# Altium PCB betrusted_evt2b.PcbDoc (part 4 of 6) (continued)
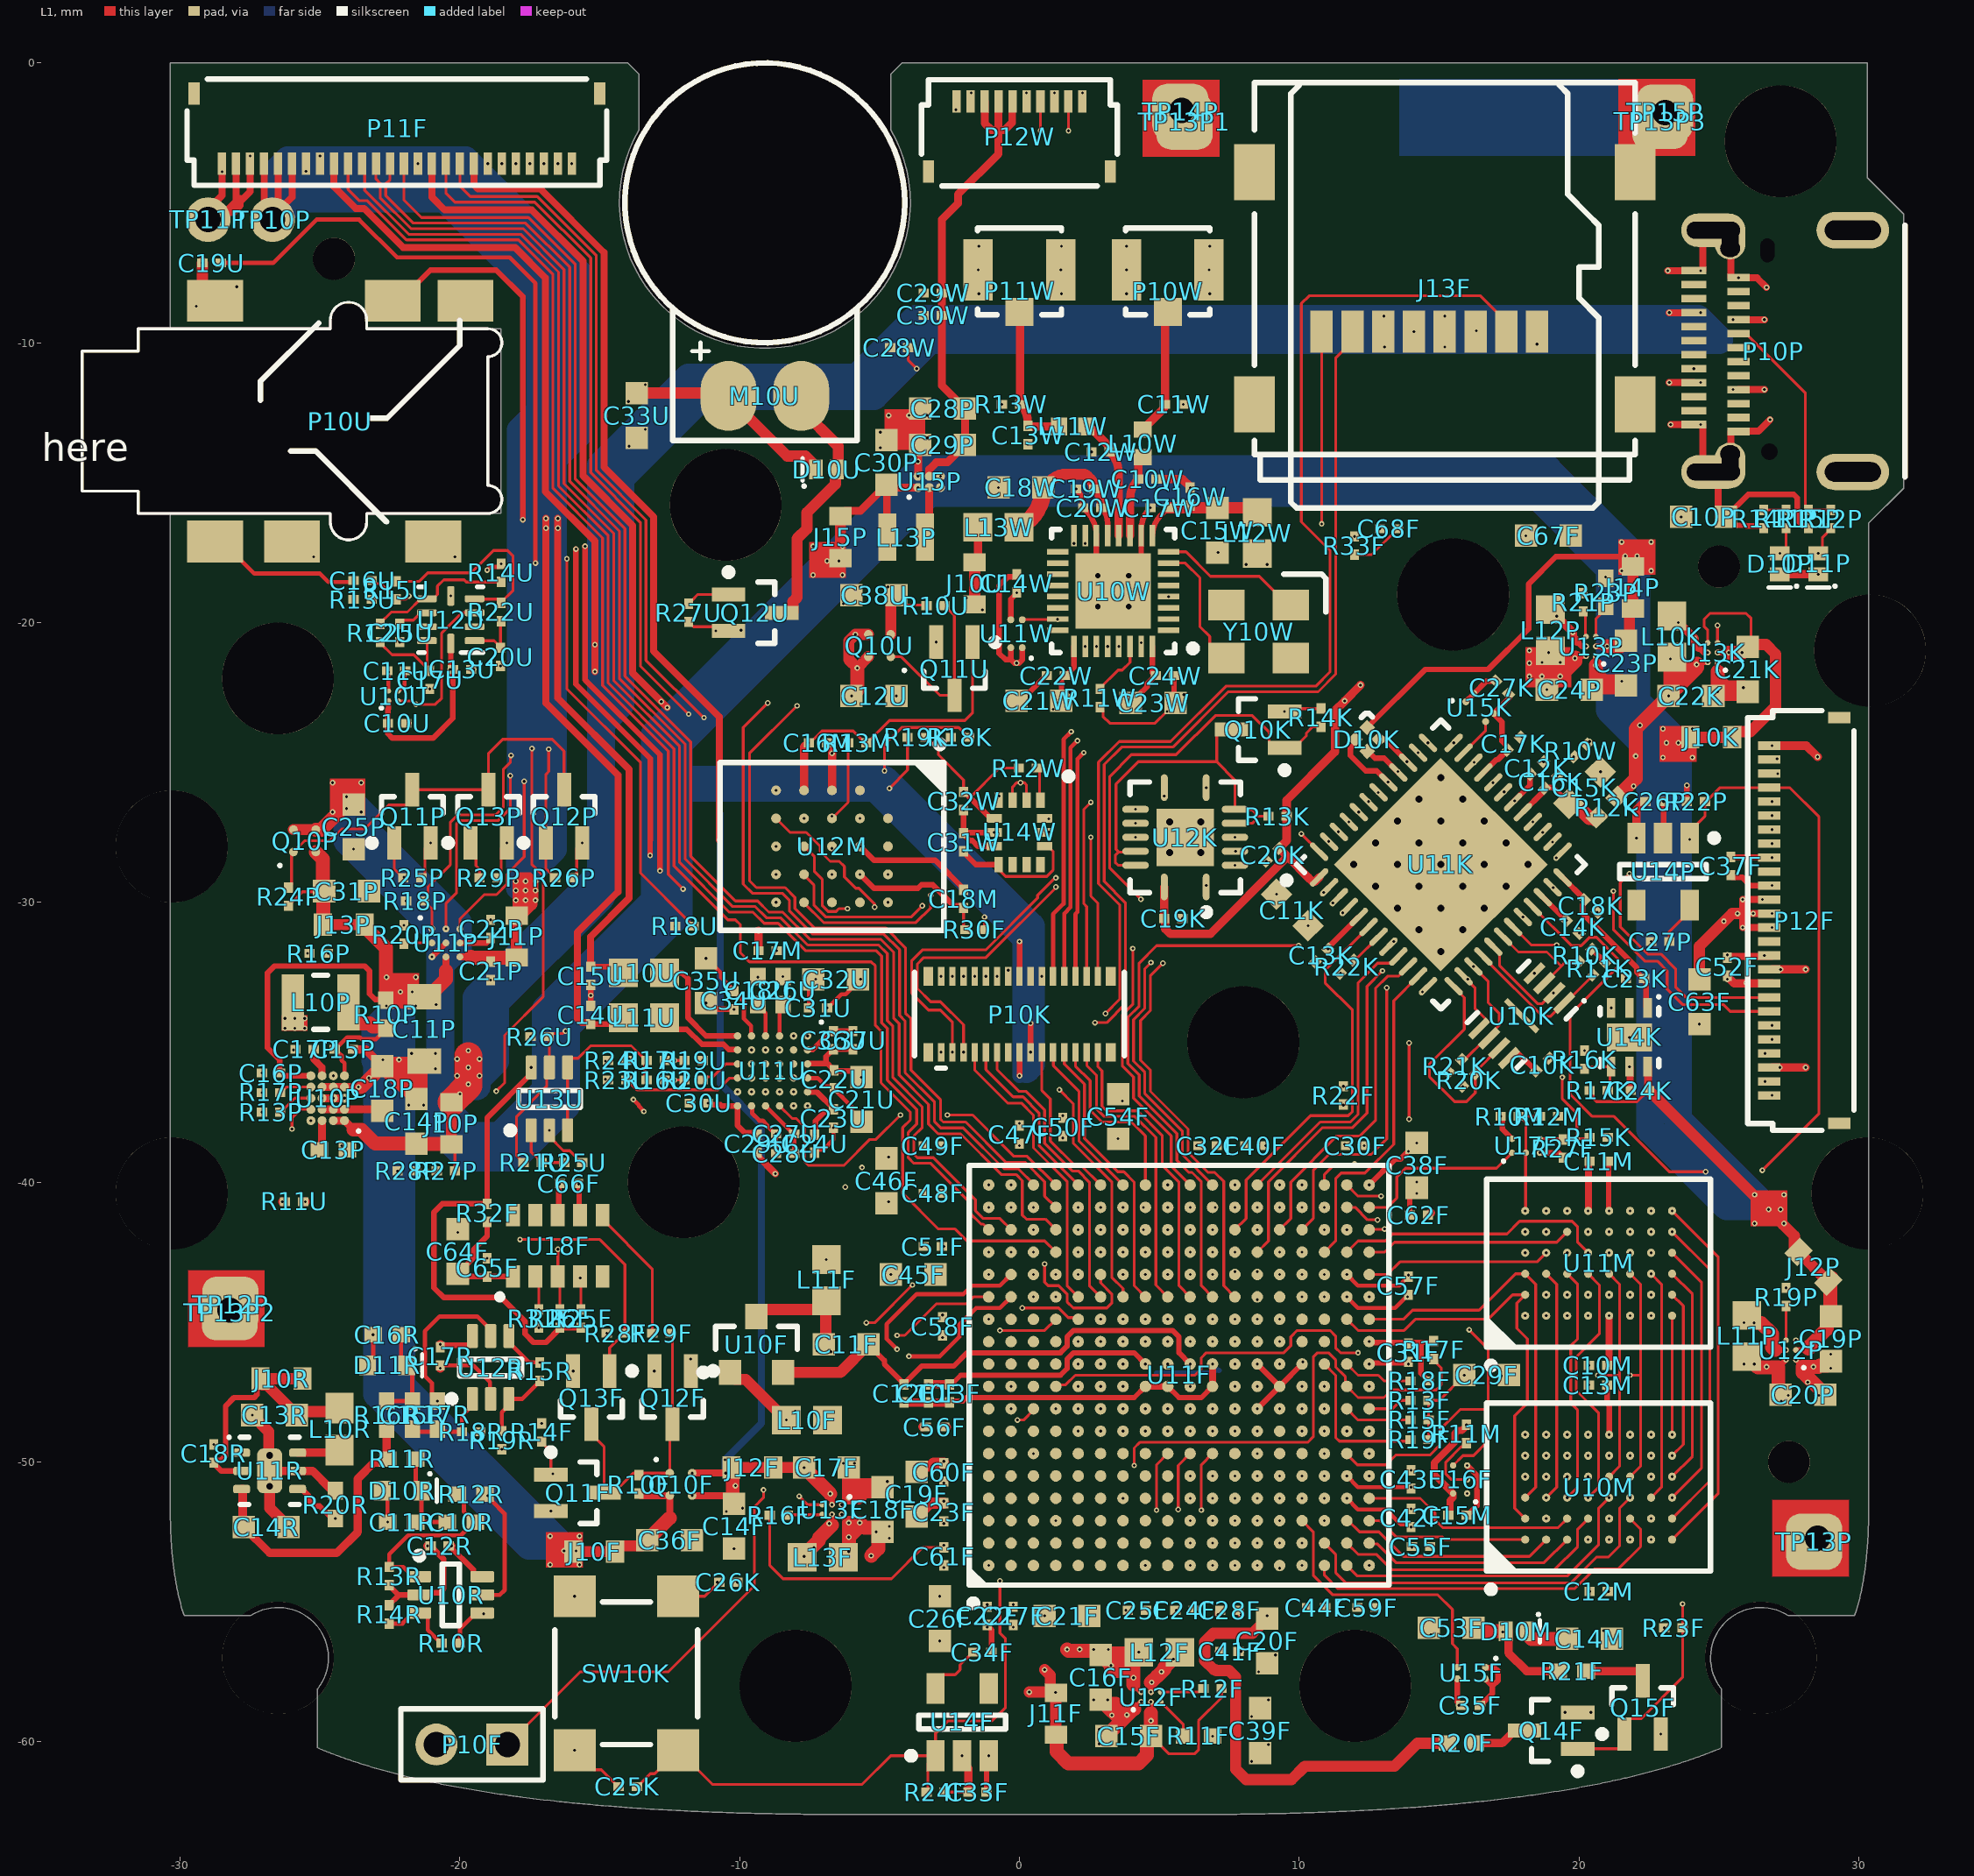
[diagram p0: L1 view]
## Nets (pads, with @x,y where several pads share a name; then routed paths per layer and width w, separated by ;. In a path a pad name is that pad's centre, name@x,y a point inside that pad or via, vN(x,y) a via of type N, cw(c..) or ccw(c..) an arc to the next point about the centre after c; other vN are vias at no path point) (continued)
  L1 w0.25: P11F.9@-24.5,-3.6 -24.5,-4.425 -23.725,-5.2 -23.425,-5.2 -22.025,-6.6 -18.025,-6.6 -16.95,-7.675 -16.95,-15.317 -15.175,-17.092 v2(-15.175,-20.793) v2(-15.175,-21.751)
  L1 w0.3: R18U.2@-12.315,-30.845 -12.31,-30.85 v2(-12.305,-30.85) R18U.2@-12.3,-30.85 ; C35U.1@-11.215,-33.595 -11.21,-33.6 v2(-11.205,-33.6) C35U.1@-11.2,-33.6 ; C30U.2@-11.14,-37.17 -11.135,-37.175 v2(-11.13,-37.175) C30U.2@-11.125,-37.175 ; C24U.2@-7.323,-38.278 -7.318,-38.282 v2(-7.313,-38.282) C24U.2@-7.308,-38.282
  L1 w0.4: v1(-6,-22.625) C12U.1@-5.8,-22.425 ; Q10U.2@-5.4,-21.225 v1(-5.8,-21.625) -6.1,-21.325 -6.1,-20.659 v1(-5.866,-20.425) Q10U.3@-5.4,-20.425
  L1 w0.5: C12U.1@-5.8,-22.425 v1(-5.8,-21.625)
  L2 w0.15: v2@-5.935,-34.6 v1(-5.915,-34.6)
  L2 w0.2: v1(-20.35,-21.675) -19.775,-21.1 -16.9,-21.1 -16.249,-21.751 v2(-15.175,-21.751) ; v1(-10.2,-33.825) -10.2,-34.65 v1(-9.575,-35.275)
  other v1: -3,-43.3 0.5,-42.5 -2.7,-42.3 2.9,-41.7 5.3,-40.9 -4.675,-40.7 -2.7,-40.4 -2.7,-38.7 0,-38.7 1.55,-38.425 -7.313,-38.282 -11.13,-37.175 -17.45,-35.9 -11.205,-33.6 -12.305,-30.85 -15.175,-21.751 -15.175,-20.793 18.1,-16.9 15.2,-10.15 15.2,-9.05
  other v2: -3,-43.3 0.5,-42.5 -2.7,-42.3 2.9,-41.7 5.3,-40.9 -4.675,-40.7 -2.7,-40.4 -2.7,-38.7 0,-38.7 1.55,-38.425 -5.915,-34.6 -6,-22.625 -5.8,-21.625 -5.866,-20.425 18.1,-16.9 13.525,-16.65 15.2,-10.15 15.2,-9.05
  other v3: 0.5,-42.5 2.9,-41.7 5.3,-40.9
P5.0V: C28P.1 C29P.1 C29W.2 C30W.2 P12W.6 P12W.7 P12W.8 U15P.B2 | length 18.1
  L1 w0.28: U15P.B2@-3.225,-14.775 -3.225,-14.525 -2.975,-14.275 -2.575,-14.275 C29P.1@-1.95,-13.65 C28P.1@-1.95,-12.35 -2.775,-11.525 -2.775,-5.6 -2.2,-5.025 -2.2,-4.7 -0.75,-3.25 -0.75,-2.4 ; P12W.8@-1.25,-1.375 -1.24,-1.385 -1.24,-2.16 -1,-2.4 -0.75,-2.4 ; P12W.7@-0.75,-1.375 -0.75,-2.4 ; P12W.6@-0.25,-1.375 -0.26,-1.385 -0.26,-2.135 -0.525,-2.4 -0.75,-2.4
PACK_P: C21P.2 J11P.1 P11F.4 P11F.5 P11F.6 TP10P.1 U11P.C3 | length 119.1
  L1 w0.2: -17.975,-29.15 -17.85,-29.025 -17.5,-29.025 -17.3,-29.225 v1(-17.3,-29.25) v1(-17.3,-29.575) v1(-17.3,-29.925) ; -17.875,-29.25 -17.65,-29.475 ; v1(-17.65,-29.925) v1(-17.65,-29.575) -17.65,-29.475 ; v1(-17.65,-29.25) -17.65,-29.475
  L1 w0.25: P11F.4@-27,-3.6 -27,-4.935 -26.7,-5.235 TP10P.1@-26.7,-5.6 -26.5,-5.4 TP10P.1@-26.5,-5.3 ; P11F.5@-26.5,-3.6 TP10P.1@-26.5,-5.3 ; P11F.6@-26,-3.6 -26,-4.8 TP10P.1@-26.5,-5.3 ; U11P.C3@-20,-31.95 -19.6,-31.95
  L1 w0.5: -19.6,-31.95 -19.575,-31.975 J11P.1@-17.975,-31.975 ; J11P.1@-17.975,-30.475 J11P.1@-17.95,-30.475 ; -17.875,-29.25 -17.875,-30.4 J11P.1@-17.95,-30.475 ; v1(-17.65,-29.25) -17.475,-29.425 -17.475,-30.05 -17.9,-30.475 J11P.1@-17.95,-30.475
  L8 w0.8: -17.225,-28.775 -16.575,-28.125 -16.575,-14.2 -15.675,-13.3 -15.675,-7.475 -19.775,-3.375 -26.175,-3.375 -26.719,-3.919 -26.719,-5.581 TP10P.1@-26.7,-5.6 -26.484,-5.6 -25.834,-4.95 -20.575,-4.95 -17.225,-8.3 -17.225,-12.4 ; -17.225,-28.775 -17.95,-29.5 -17.95,-28.175 -17.925,-28.15 -17.925,-13.1 -17.225,-12.4 ; -17.225,-28.775 -17.225,-13.65 -17.225,-12.4
  L8 w1: TP10P.1@-26.7,-5.6 -26.585,-5.485 -26.585,-4.76 -25.975,-4.15 -20.175,-4.15 -16.375,-7.95 -16.375,-12.8 -17.225,-13.65
  other v1: -18,-29.925 -18,-29.575 -18,-29.25
  other v2: -19.25,-29.9 -18.35,-29.9 -17.375,-29.9 -19.25,-29.025 -18.35,-29.025 -17.375,-29.025
  other v3: -17.875,-29.775 -18.2,-29.45 -17.575,-29.425 -17.325,-29.2 -17.9,-29.125 -17.675,-28.9 -17.05,-28.9 -17.975,-28.625 -17.4,-28.625
PROG_B: C25K.1 P12F.21 R24F.1 SW10K.4 U11F.R8 U12M.A4 U14F.1 | length 93.7
  L1 w0.1: C25K.1@-13.675,-61.6 -13.65,-61.6 -13.191,-61.141 -13.041,-61.141 SW10K.4@-12.2,-60.3 -10.975,-61.525 -5.625,-61.525 -4.6,-60.5 U14F.1@-3,-60.5 ; R24F.1@-3.325,-61.8 -3.275,-61.75 -3.275,-60.775 U14F.1@-3,-60.5 ; v1(-0.7,-54.25) -0.7,-56.114 -0.5,-56.314 -0.5,-58.775 -0.975,-59.25 -2.55,-59.25 -3,-59.7 U14F.1@-3,-60.5
  L2 w0.1: v2(-0.85,-52.45) -0.85,-53.25 -0.7,-53.4 v1(-0.7,-54.25) 1.364,-54.25 5.617,-49.997 8.161,-49.997 8.314,-50.15 9.108,-50.15 9.7,-49.558 9.7,-48.5 v1(10.1,-48.1) 10.081,-48.081 10.081,-47.854 9.85,-47.623 9.85,-47.15 10.125,-46.875 10.425,-46.875 10.6,-46.7 10.749,-46.7 11.1,-46.349 11.1,-45.45 10.825,-45.175 10.825,-44.591 10.5,-44.266 10.5,-42.3 9.7,-41.5 9.7,-39.725 9.775,-39.65 9.775,-38.575 10.65,-37.7 11.761,-37.7 14.011,-35.45 15.908,-35.45 17.008,-36.55 24.175,-36.55 26.325,-34.4 v1(26.9,-34.4)
  L7 w0.1: v1(-4.7,-29) -4.7,-31.475 -2.35,-33.825 -2.35,-37.625 -2.15,-37.825 -2.15,-51.15 v2(-0.85,-52.45)
  other v2: -4.7,-29
PWR_S0: R15K.2 R27F.1 U11F.U6 U11K.19 U16F.C2 U17F.C2 | length 47.6
  L1 w0.1: U11F.U6@11.7,-49.7 11.7,-49.725 12.075,-50.1 13.1,-50.1 13.45,-49.75 14.675,-49.75 15.025,-49.4 15.025,-48.85 15.75,-48.125 16.75,-48.125 ; U16F.C2@15.5,-50.125 15.85,-49.775 16.225,-49.775 16.75,-49.25 16.75,-48.125 ; v1(16.075,-45.275) 16.75,-45.95 16.75,-48.125 ; U11K.19@17.641,-30.876 18.289,-31.525 v1(19.2,-31.525) ; U17F.C2@18.6,-38.45 v2(19.925,-38.45) ; v1(19.4,-36.25) 19.4,-37.025 19.925,-37.55 v2(19.925,-38.45) ; R15K.2@20.375,-38.4 20.325,-38.45 v2(19.925,-38.45)
  L2 w0.1: v1(16.075,-45.275) v2(16.075,-44.675) ; v1(19.2,-31.525) 18.95,-31.525 18.5,-31.975 16.075,-31.975 15.4,-32.65 15.4,-33.3 16.8,-34.7 18.95,-34.7 19.4,-35.15 v1(19.4,-36.25)
  L7 w0.1: v2(16.075,-44.675) 16.6,-44.15 19.884,-44.15 20.234,-44.5 23.3,-44.5 24.625,-43.175 24.625,-40.775 21.75,-37.9 20.475,-37.9 v2(19.925,-38.45)
  other v1: 19.925,-38.45
PWR_S1: U11F.L13 U11K.12 | length 27.2
  L1 w0.1: U11F.L13@6.9,-44.1 6.5,-43.7 6.5,-39.983 6.167,-39.65 6.05,-39.65 5.625,-39.225 5.625,-38.266 4.279,-36.92 4.279,-36.162 3.875,-35.758 3.875,-34.109 4.275,-33.709 4.275,-32.175 4.9,-31.55 v1(9.975,-31.55)
  L2 w0.1: v1(9.975,-31.55) 9.994,-31.531 10.221,-31.531 10.777,-30.975 11.25,-30.975 11.875,-31.6 11.875,-33.4 12.75,-34.275 13.9,-34.275 14.4,-33.775 v1(14.4,-33.2)
RES_CT: C34F.1 U14F.5 | length 2.1
  L1 w0.1: U14F.5@-3,-58.1 -3,-57.875 -2.725,-57.6 -2.3,-57.6 -2.125,-57.425 -2.125,-57.25 -1.675,-56.8 C34F.1@-1.65,-56.8
RTC_3.3V: C64F.1 C65F.1 R32F.1 U18F.1 | length 4.2
  L1 w0.2: C64F.1@-20.075,-43.275 -19.5,-42.7 -19.5,-42.4 -19.025,-41.925 R32F.1@-19.025,-41.425 ; C64F.1@-20.05,-43.375 U18F.1@-18.1,-43.375
RTC_INT1: R31F.2 U11F.N5 U18F.2 | length 43.3
  L1 w0.1: U18F.2@-17.3,-43.375 -17.175,-43.5 v1(-17.175,-44.55)
  L2 w0.1: v1(-17.175,-44.55) -17.775,-44.55 -20.475,-47.25 -20.95,-47.25 -21.325,-47.625 -21.325,-49.525 -17.825,-53.025 -17.825,-53.425 -16.95,-54.3 -15.55,-54.3 -14.9,-53.65 -9.1,-53.65 -8.45,-54.3 -2.35,-54.3 -2.1,-54.55 1.5,-54.55 5.15,-50.9 7.2,-50.9 7.325,-50.775 7.325,-50.475 7.603,-50.197 8.078,-50.197 8.231,-50.35 8.323,-50.35 8.473,-50.5 v1(8.5,-50.5)
RTC_WAKE_N: R29F.1 U18F.6 | length 5
  L1 w0.1: U18F.6@-14.9,-41.175 -14.9,-41.325 -13.125,-43.1 R29F.1@-13.125,-45.4
SPINOR_CSN: R13M.1 U11F.M13 U12M.C2 | length 31.7
  L1 w0.1: v1(-6.7,-26.925) -6.625,-26.925 -6.125,-26.425 R13M.1@-6.125,-24.3 ; v1(5.125,-32.175) 4.675,-32.625 4.675,-33.875 4.325,-34.225 4.325,-35.642 4.679,-35.997 4.679,-36.754 6.025,-38.1 6.025,-38.942 6.733,-39.65 6.975,-39.65 7.3,-39.975 7.3,-43.7 U11F.M13@7.7,-44.1
  L1 w0.2: U12M.C2@-6.7,-27 v1(-6.7,-26.925)
  L2 w0.1: v1(-6.7,-26.925) -6.7,-26.525 -6.25,-26.075 -5.075,-26.075 -1.887,-29.263 0.759,-29.263 1.295,-29.799 2.749,-29.799 v1(5.125,-32.175)
SPINOR_DQS: U11F.R14 U12M.C3 | length 31.2
  L1 w0.2: v1(-6.7,-28.075) U12M.C3@-6.7,-28
  L2 w0.1: v1(-6.7,-28.075) -6.425,-28.35 -6.425,-30.5 -5.65,-31.275 -0.7,-31.275 -0.175,-31.8 0.825,-31.8 v2(1.8,-32.775)
  L7 w0.1: v2(1.8,-32.775) 3.75,-34.725 3.75,-36.55 4.4,-37.2 4.4,-41.834 4.925,-42.359 4.925,-42.675 4.675,-42.925 4.675,-43.533 5.117,-43.975 7.259,-43.975 9.134,-42.1 9.466,-42.1 9.7,-42.334 9.7,-42.9 v1(10.1,-43.3)
  other v2: 10.1,-43.3
SPINOR_ECSN: R30F.2 U11F.L16 U12M.A5 | length 20.2
  L1 w0.1: R30F.2@-1.275,-30.975 -1.25,-30.95 v1(-1.25,-30.525)
  L2 w0.1: v1(-4.7,-30) -4.175,-30.525 v1(-1.25,-30.525) 0.3,-30.525 0.925,-31.15 1.916,-31.15 3.8,-33.034 3.8,-36.33 5.675,-38.205 5.675,-38.908 6.55,-39.783 6.55,-41.086 6.9,-41.436 v1(6.9,-41.7)
SPINOR_IO2: U11F.L14 U12M.C4 | length 25.9
  L2 w0.1: v1(-6.7,-29) -6.7,-30.6 -5.825,-31.475 -0.8,-31.475 -0.275,-32 0.575,-32 1.112,-32.537 1.112,-32.662 1.85,-33.4 v2(3,-33.4)
  L7 w0.1: v2(3,-33.4) 3.95,-34.35 3.95,-36.432 4.625,-37.107 4.625,-41.75 5.125,-42.25 5.125,-42.775 4.9,-43 4.9,-43.475 5.175,-43.75 6.45,-43.75 v2(6.9,-43.3)
  other v1: 6.9,-43.3
SPINOR_IO3: U11F.M15 U12M.D4 | length 25.2
  L1 w0.1: U12M.D4@-7.7,-29 -7.7,-29.025 -7.35,-29.375 -7.35,-30.092 -6.917,-30.525 -3.875,-30.525 v1(-3.475,-30.125)
  L2 w0.1: v1(-3.475,-30.125) -3.325,-30.275 0.357,-30.275 1.024,-30.942 2.008,-30.942 4.013,-32.946 4.013,-36.26 5.875,-38.122 5.875,-38.825 6.75,-39.7 6.75,-41.004 7.7,-41.954 v1(7.7,-42.5)
SPINOR_IO4: U11F.L17 U12M.D5 | length 23.5
  L1 w0.1: U12M.D5@-7.7,-30 -7.7,-30.025 -7,-30.725 -3.7,-30.725 -3.175,-30.2 v1(-3.175,-29.75)
  L2 w0.1: v1(-3.175,-29.75) -2.85,-30.075 0.44,-30.075 1.107,-30.742 1.925,-30.742 2.091,-30.742 4.213,-32.863 4.213,-36.163 6.288,-38.238 6.429,-38.238 6.725,-38.534 6.725,-39.1 7,-39.375 v1(7,-40.9)
SPINOR_IO5: U11F.L18 U12M.E3 | length 26
  L1 w0.1: v1(4.7,-32.15) 4.475,-32.375 4.475,-33.792 4.075,-34.192 4.075,-35.675 4.479,-36.079 4.479,-36.837 5.825,-38.183 5.825,-39.025 U11F.L18@6.9,-40.1
  L2 w0.1: v1(-8.7,-28) -8.075,-27.375 -6.514,-27.375 -6.225,-27.086 -6.225,-26.616 -6.105,-26.495 -5.28,-26.495 -2.112,-29.663 0.594,-29.663 1.13,-30.199 2.149,-30.199 4.1,-32.15 v1(4.7,-32.15)
SPINOR_IO6: U11F.M14 U12M.E2 | length 27.2
  L1 w0.1: U12M.E2@-8.7,-27 -8.2,-27.5 -7.625,-27.5 -7.125,-28 -7.125,-28.175 -6.765,-28.535 -6.44,-28.535 -6.255,-28.72 -6.255,-29.095 -5.85,-29.5 -5.74,-29.5 -5.175,-30.065 v1(-5.175,-30.168)
  L2 w0.1: v1(-5.175,-30.168) -4.568,-30.775 0.25,-30.775 0.825,-31.35 1.833,-31.35 2.059,-31.576 3.6,-33.117 3.6,-36.413 5.475,-38.288 5.475,-38.991 6.35,-39.866 6.35,-41.169 6.4,-41.219 6.4,-41.775 6.725,-42.1 7,-42.1 7.425,-42.525 7.425,-42.675 7.7,-42.95 v1(7.7,-43.2)
SPINOR_IO7: U11F.N14 U12M.E1 | length 31.9
  L2 w0.1: v1(-8.7,-26) -9.2,-26.5 -9.2,-27.9 -8.85,-28.25 -8.525,-28.25 -7.85,-27.575 -6.431,-27.575 -6,-27.144 -6,-26.85 -5.875,-26.725 -5.475,-26.725 -2.337,-29.863 0.511,-29.863 1.189,-30.542 2.191,-30.542 4.425,-32.775 4.425,-36.075 6.375,-38.025 6.499,-38.025 6.674,-38.2 7.191,-38.2 7.525,-38.534 7.525,-39.225 7.3,-39.45 7.3,-41.066 7.525,-41.291 7.525,-41.475 7.9,-41.85 7.9,-42.125 8.019,-42.244 8.019,-42.719 v1(8.5,-43.2)
SPINOR_MISO: U11F.K18 U12M.D2 | length 24.3
  L1 w0.1: v1(4.05,-31.65) 4.05,-33.651 3.675,-34.026 3.675,-35.841 4.079,-36.245 4.079,-37.003 5.425,-38.349 5.425,-39.425 U11F.K18@6.1,-40.1
  L2 w0.1: v1(-7.7,-27) -7.525,-27.175 -6.596,-27.175 -6.425,-27.004 -6.425,-26.533 -6.167,-26.275 -5.158,-26.275 -1.97,-29.463 0.676,-29.463 1.212,-29.999 2.399,-29.999 v1(4.05,-31.65)
SPINOR_MOSI: U11F.K17 U12M.D3 | length 23.4
  L1 w0.1: U12M.D3@-7.7,-28 -7.325,-28.375 -7.325,-28.9 -7.05,-29.175 -7.05,-30.11 -6.835,-30.325 -6.556,-30.325 -6.456,-30.225 v1(-6.15,-30.225)
  L2 w0.1: v1(-6.15,-30.225) -5.875,-30.225 -5.125,-30.975 0.167,-30.975 0.792,-31.6 1.8,-31.6 3.4,-33.2 3.4,-36.35 3.275,-36.475 3.275,-37.266 3.609,-37.6 4.15,-37.6 5.213,-38.663 5.213,-39.012 6.1,-39.899 v1(6.1,-40.9)
SPINOR_SCK: U11F.C8 U12M.B2 | length 28.9
  L1 w0.1: v1(-0.075,-48.5) 0.15,-48.5 0.5,-48.15 U11F.C8@0.5,-48.1
  L2 w0.1: v1(-5.7,-27) -5.7,-27.3 -6.2,-27.8 -6.825,-27.8 -7.075,-28.05 -7.075,-30.7 -5.975,-31.8 -4.475,-31.8 -3.4,-32.875 -3.4,-36.125 -1.175,-38.35 -1.175,-38.65 -0.275,-39.55 0.425,-39.55 1.7,-40.825 1.7,-42.675 1.775,-42.75 1.775,-44.6 1.275,-45.1 1.275,-46 0.05,-47.225 0.05,-48.348 -0.075,-48.473 v1(-0.075,-48.5)
SPK+: C14U.1 L11U.2 P11F.23 P11F.24 | length 34.9
  L1 w0.2: C14U.1@-15.325,-34.35 -14.385,-34.35 L11U.2@-14.16,-34.125
  L1 w0.25: v1(-16.925,-16.282) v1(-16.925,-16.625) -16.925,-22.875 -14.35,-25.45 -14.35,-29.625 -15.8,-31.075 -15.8,-34.15 -15.65,-34.3 -15.36,-34.3 -15.325,-34.335 C14U.1@-15.325,-34.35
  L2 w0.25: v1(-17,-3.6) -16.925,-3.675 v1(-16.925,-16.282) v1(-16.925,-16.625)
  L2 w0.3: v1(-17.5,-3.6) v1(-17,-3.6)
SPK-: C15U.2 L10U.2 P11F.25 P11F.26 | length 32.4
  L1 w0.2: C15U.2@-15.325,-32.3 -14.385,-32.3 L10U.2@-14.16,-32.525
  L1 w0.25: v1(-16.5,-16.282) -16.5,-16.525 -16.5,-22.7 -13.95,-25.25 -13.95,-29.85 -15.325,-31.225 C15U.2@-15.325,-32.3
  L2 w0.2: -16.35,-3.6 v1(-16,-3.6)
  L2 w0.25: v1(-16.5,-16.625) v1(-16.5,-16.282) v1(-16.5,-3.6) -16.35,-3.6
SRAM_A0: U10M.A3 U11F.V12 U11M.A3 | length 14.6
  L1 w0.1: U11F.V12@12.5,-44.9 13.725,-44.9 14.05,-44.575 16.425,-44.575 17.725,-43.275 U11M.A3@18.075,-43.275 18.45,-43.65 18.45,-50.9 U10M.A3@18.075,-51.275
SRAM_A1: U10M.A4 U11F.M5 U11M.A4 | length 22.5
  L2 w0.1: v1(7.7,-50.5) 7.7,-50.525 8.075,-50.9 12.2,-50.9 12.7,-51.4 13.775,-51.4 13.95,-51.225 15.025,-51.225 15.25,-51.45 16.075,-51.45 16.3,-51.225 16.3,-51.025 16.15,-50.875 15.896,-50.875 15.475,-50.454 15.475,-50 15.75,-49.725 16.75,-49.725 17.55,-50.525 v1(18.075,-50.525) 18.325,-50.275 18.325,-45.725 18.475,-45.575 18.475,-44.725 17.925,-44.175 17.925,-42.675 v1(18.075,-42.525)
SRAM_A2: U10M.A5 U11F.P5 U11M.A5 | length 17.2
  L2 w0.1: v1(9.3,-50.5) 9.7,-50.1 13.7,-50.1 14.425,-49.375 16.375,-49.375 16.575,-49.175 17.475,-49.175 ; v1(18.075,-49.775) 17.475,-49.175 ; v1(18.075,-41.775) 17.475,-42.375 17.475,-49.175
SRAM_A3: U10M.B3 U11F.N4 U11M.B3 | length 19.8
  L1 w0.1: v1(18.825,-51.275) 19.2,-50.9 19.2,-43.65 U11M.B3@18.825,-43.275
  L2 w0.1: v1(8.5,-51.3) 8.65,-51.3 9.05,-51.7 9.875,-51.7 10.9,-52.725 13.1,-52.725 13.6,-52.725 13.725,-52.6 14.275,-52.6 14.5,-52.375 15.758,-52.375 16.358,-51.775 17.975,-51.775 18.475,-51.275 v1(18.825,-51.275)
SRAM_A4: U10M.B4 U11F.V14 U11M.B4 | length 15.6
  L1 w0.1: U11F.V14@12.5,-43.3 13.15,-43.3 13.6,-42.85 18.5,-42.85 v1(18.825,-42.525)
  L2 w0.1: v1(18.825,-50.525) 18.525,-50.225 18.525,-49.679 19.075,-49.129 19.075,-48.921 18.9,-48.746 18.9,-48.316 19.35,-47.866 19.35,-45.934 18.9,-45.484 18.9,-45.054 19.075,-44.879 19.075,-43.921 18.875,-43.721 18.875,-42.875 18.825,-42.825 v1(18.825,-42.525)
SRAM_A5: U10M.C3 U11F.M3 U11M.C3 | length 22.9
  L1 w0.1: v1(19.575,-51.275) 19.95,-50.9 19.95,-48.15 19.7,-47.9 19.7,-45.85 19.95,-45.6 19.95,-43.65 U11M.C3@19.575,-43.275
  L2 w0.1: v1(7.7,-52.1) 8.1,-52.5 8.5,-52.5 8.775,-52.775 8.775,-53.025 9.075,-53.325 9.5,-53.325 9.85,-52.975 9.85,-52.796 9.996,-52.65 10.242,-52.65 10.767,-53.175 12.875,-53.175 13.475,-53.775 14.924,-53.775 16.524,-52.175 18.275,-52.175 18.675,-51.775 19.075,-51.775 v1(19.575,-51.275)
SRAM_A6: U10M.C4 U11F.R17 U11M.C4 | length 19.6
  L2 w0.1: v1(19.575,-50.525) 19.825,-50.275 19.825,-49.2 20,-49.025 20,-48.2 19.825,-48.025 19.825,-45.75 20,-45.575 20,-44.8 19.875,-44.675 19.875,-43.842 20.025,-43.692 20.025,-42.975 v1(19.575,-42.525) v2(19.575,-41.775)
  L7 w0.1: v2(10.1,-40.9) 10.208,-40.9 10.408,-40.7 10.525,-40.7 10.75,-40.475 11.575,-40.475 12.75,-41.65 13.925,-41.65 14.05,-41.775 v2(19.575,-41.775)
  other v1: 10.1,-40.9
SRAM_A7: U10M.D4 U11F.U15 U11M.D4 | length 19
  L1 w0.1: U11F.U15@11.7,-42.5 12.1,-42.1 13.075,-42.1 13.325,-41.85 17.425,-41.85 17.875,-41.4 19.75,-41.4 19.95,-41.6 19.95,-42.15 v1(20.325,-42.525)
  L2 w0.1: v1(20.325,-50.525) 20.025,-50.225 20.025,-49.625 20.25,-49.4 20.4,-49.4 20.65,-49.15 20.65,-48.25 21.15,-47.75 21.15,-46.234 20.65,-45.734 20.65,-44.6 20.775,-44.475 20.775,-43.825 20.325,-43.375 v1(20.325,-42.525)
SRAM_A8: U10M.H5 U11F.M4 U11M.H2 | length 44.9
  L1 w0.1: v1(23.325,-49.775) 23.725,-49.375 23.725,-44.425 U11M.H2@23.325,-44.025
  L2 w0.1: v1(23.325,-49.775) 23.6,-49.775 v2(23.9,-50.075)
  L7 w0.1: v2(7.7,-51.3) 7.7,-50.734 6.866,-49.9 5.851,-49.9 5.1,-50.651 5.1,-53.925 4.2,-54.825 4.2,-55.65 8.15,-59.6 9.125,-59.6 10.5,-60.975 15.05,-60.975 18.125,-57.9 18.125,-56.4 19,-55.525 21.3,-55.525 23.9,-52.925 v2(23.9,-50.075)
  other v1: 7.7,-51.3
SRAM_A9: U10M.H4 U11F.L6 U11M.H3 | length 31.7
  L1 w0.1: v1(6.5,-51.725) 6.5,-50.1 U11F.L6@6.9,-49.7 ; v1(23.325,-50.525) 24.05,-49.8 24.05,-44 U11M.H3@23.325,-43.275
  L2 w0.1: v1(6.5,-51.725) 6.519,-51.706 6.728,-51.706 6.759,-51.675 7.05,-51.675 7.3,-51.925 7.3,-53.175 7.5,-53.375 7.825,-53.375 8.075,-53.625 8.075,-53.841 9.134,-54.9 9.625,-54.9 9.825,-54.7 14.95,-54.7 16.8,-52.85 19.175,-52.85 19.85,-52.175 20.675,-52.175 20.775,-52.275 22.75,-52.275 23,-52.025 23,-50.85 v1(23.325,-50.525)
SRAM_A10: U10M.H3 U11F.K3 U11M.H4 | length 31.2
  L1 w0.1: v1(23.325,-51.275) 24.375,-50.225 24.375,-43.575 U11M.H4@23.325,-42.525
  L2 w0.1: v1(6.1,-52.1) 6.5,-52.5 6.5,-54.175 7.35,-55.025 8.225,-55.025 8.3,-55.1 9.75,-55.1 9.95,-54.9 15.1,-54.9 16.9,-53.1 19.275,-53.1 20,-52.375 20.525,-52.375 20.65,-52.5 22.875,-52.5 23.325,-52.05 v1(23.325,-51.275)
SRAM_A11: U10M.H2 U11F.R18 U11M.H5 | length 26.9
  L1 w0.1: U10M.H2@23.325,-52.025 24.675,-50.675 24.675,-43.125 v1(23.325,-41.775)
  L2 w0.1: v1(23.325,-41.775) v2(23.825,-41.775)
  L7 w0.1: v1(10.1,-40.1) 10.9,-39.3 13.6,-39.3 14.775,-40.475 17.2,-40.475 17.675,-40.95 22.316,-40.95 23.141,-41.775 v2(23.825,-41.775)
  other v2: 10.1,-40.1
SRAM_A12: U10M.G3 U11F.U16 U11M.G3 | length 19.8
  L1 w0.1: U10M.G3@22.575,-51.275 22.95,-50.9 22.95,-43.65 v2(22.575,-43.275)
  L7 w0.1: v1(11.7,-41.7) 12.15,-41.7 12.525,-42.075 14.175,-42.075 14.5,-42.4 20.975,-42.4 21.85,-43.275 v2(22.575,-43.275)
  other v1: 22.575,-43.275
  other v2: 11.7,-41.7
SRAM_A13: U10M.G2 U11F.K1 U11M.G4 | length 30.2
  L2 w0.1: v2(6.1,-54.5) v1(6.1,-53.7) ; v1(22.575,-52.025) v2(22.575,-51.45) 22.575,-50.992 22.9,-50.667 22.9,-50.496 22.325,-49.921 22.325,-49.671 22.521,-49.475 22.761,-49.475 23.025,-49.211 23.025,-48.924 23.175,-48.774 23.175,-44.55 22.875,-44.25 22.875,-43.7 23.062,-43.513 23.062,-43.012 v1(22.575,-42.525)
  L7 w0.1: v2(6.1,-54.5) 7.113,-54.5 7.462,-54.85 8.475,-54.85 8.525,-54.9 9.5,-54.9 9.9,-54.5 15.225,-54.5 15.7,-54.025 20.925,-54.025 22.575,-52.375 v2(22.575,-51.45)
SRAM_A14: U10M.F4 U11F.R5 U11M.F3 | length 23.6
  L1 w0.1: U10M.F4@21.825,-50.525 22.2,-50.15 22.2,-46.9 ; v1(21.825,-46.9) 22.2,-46.9 ; U11M.F3@21.825,-43.275 22.2,-43.65 22.2,-46.9
  L7 w0.1: v1(10.1,-50.5) 10.1,-49.725 10.525,-49.3 11.725,-49.3 12.775,-48.25 13.475,-48.25 15.687,-46.038 16.288,-46.038 17.675,-44.65 19.799,-44.65 20.675,-45.526 20.675,-45.75 v1(21.825,-46.9)
  other v2: 10.1,-50.5 21.825,-46.9
SRAM_A15: U10M.F3 U11F.T2 U11M.F4 | length 23.6
  L1 w0.1: U11F.T2@10.9,-52.9 11.3,-53.3 11.3,-53.95 11.675,-54.325 19.7,-54.325 20.625,-53.4 21.05,-53.4 21.45,-53 21.45,-51.65 v1(21.825,-51.275)
  L2 w0.1: v1(21.825,-51.275) 21.375,-50.825 21.375,-50.136 21.475,-50.036 21.475,-49.771 21.736,-49.511 21.739,-49.511 22.1,-49.15 22.1,-48.275 22.225,-48.15 22.225,-45.7 22.1,-45.575 22.1,-44.65 22.275,-44.475 22.275,-43.909 21.825,-43.459 v1(21.825,-42.525)
SRAM_A16: U10M.E3 U11F.U1 U11M.E4 | length 21.3
  L1 w0.1: U11F.U1@11.7,-53.7 12.075,-54.075 19.575,-54.075 20.7,-52.95 20.7,-51.65 v1(21.075,-51.275)
  L2 w0.1: v1(21.075,-51.275) 21.075,-50.425 20.625,-49.975 20.625,-49.659 20.959,-49.325 21.2,-49.325 21.5,-49.025 21.5,-48.225 21.35,-48.075 21.35,-45.75 21.525,-45.575 21.525,-44.85 21.375,-44.7 21.375,-43.863 21.5,-43.737 21.5,-43.2 21.075,-42.775 v1(21.075,-42.525)
SRAM_A17: U10M.D3 U11F.N1 U11M.D3 | length 21.8
  L1 w0.1: v2(20.325,-51.275) 20.7,-50.9 20.7,-48.25 19.9,-47.45 19.9,-46.25 20.725,-45.425 20.725,-43.675 U11M.D3@20.325,-43.275
  L7 w0.1: v2(8.5,-53.7) 9.425,-53.7 9.85,-53.275 12.025,-53.275 12.55,-52.75 13.975,-52.75 14.6,-52.125 19.475,-52.125 v2(20.325,-51.275)
  other v1: 8.5,-53.7 20.325,-51.275
SRAM_A18: U10M.H6 U11F.L5 U11M.H1 | length 40.6
  L1 w0.1: v1(23.325,-49.025) U11M.H1@23.325,-44.775
  L2 w0.1: v1(23.325,-49.025) v2(23.825,-49.025)
  L7 w0.1: v1(6.9,-50.5) 6.5,-50.1 5.934,-50.1 5.3,-50.734 5.3,-54.025 5,-54.325 5,-55.725 7.75,-58.475 8.275,-58.475 8.725,-58.925 8.95,-58.925 10.725,-60.7 13.425,-60.7 15.05,-59.075 15.05,-58.525 16.7,-56.875 16.7,-56.025 17.45,-55.275 21.267,-55.275 23.5,-53.042 23.5,-49.842 23.825,-49.517 v2(23.825,-49.025)
  other v2: 6.9,-50.5
SRAM_A19: U10M.G4 U11F.K2 U11M.G2 | length 33.7
  L2 w0.1: v1(22.575,-50.525) 22.4,-50.35 22.4,-50.279 22.125,-50.004 22.125,-49.575 22.425,-49.275 22.679,-49.275 22.825,-49.129 22.825,-48.841 22.975,-48.691 22.975,-47.975 22.7,-47.7 v2(22.7,-46.95) 22.7,-45.925 22.975,-45.65 22.975,-44.8 22.575,-44.4 v1(22.575,-44.025)
  L7 w0.1: v2(6.1,-52.9) 5.7,-53.3 5.7,-54.666 5.934,-54.9 7.15,-54.9 7.3,-55.05 8.091,-55.05 8.141,-55.1 9.6,-55.1 10,-54.7 15.425,-54.7 15.9,-54.225 21.125,-54.225 23,-52.35 23,-47.25 v2(22.7,-46.95)
  other v1: 6.1,-52.9
SRAM_A20: U10M.H1 U11F.M18 U11M.H6 | length 31.3
  L1 w0.1: U10M.H1@23.325,-52.775 24.975,-51.125 24.975,-42.675 v1(23.325,-41.025)
  L2 w0.1: v1(23.325,-41.025) v2(23.325,-40.525)
  L7 w0.1: v2(7.7,-40.1) 8.525,-40.1 10.375,-38.25 13.375,-38.25 15,-39.875 20.459,-39.875 20.909,-39.425 21.45,-39.425 22.55,-40.525 v2(23.325,-40.525)
  other v1: 7.7,-40.1
SRAM_A21: U10M.E4 U11F.T6 U11M.E3 | length 21.9
  L1 w0.1: v1(20.675,-46.9) 21.45,-46.9 ; U10M.E4@21.075,-50.525 21.45,-50.15 21.45,-46.9 ; U11M.E3@21.075,-43.275 21.45,-43.65 21.45,-46.9
  L7 w0.1: v1(10.9,-49.7) 11.338,-49.7 11.513,-49.525 11.95,-49.525 12.175,-49.3 13.308,-49.3 13.804,-48.804 13.804,-48.346 15.8,-46.35 16.425,-46.35 17.9,-44.875 19.741,-44.875 19.941,-45.075 19.975,-45.109 19.975,-45.633 19.925,-45.683 19.925,-46.15 v1(20.675,-46.9)
  other v2: 10.9,-49.7 20.675,-46.9
SRAM_CE_N: U11F.V5 U16F.A1 | length 3.8
  L2 w0.1: v1(12.5,-50.5) 13.75,-50.5 13.875,-50.625 14.2,-50.625 14.275,-50.7 15.4,-50.7 15.806,-51.106 15.981,-51.106 v1(16,-51.125)
SRAM_CE_N_1.8: R11M.2 U10M.B5 U11M.B5 U16F.B1 | length 15.3
  L1 w0.1: R11M.2@15.975,-49.325 15.975,-49.365 15.88,-49.46 15.779,-49.46 15.235,-50.004 15.235,-50.435 15.425,-50.625 v1(16,-50.625)
  L2 w0.1: v1(16,-50.625) 17,-50.625 17.15,-50.775 18.942,-50.775 19.1,-50.617 19.1,-50.05 v1(18.825,-49.775) 18.825,-49.748 19.3,-49.273 19.3,-48.816 19.175,-48.691 19.175,-48.325 19.575,-47.925 19.575,-45.841 19.175,-45.441 19.175,-45.061 19.288,-44.949 19.288,-43.813 19.15,-43.675 19.15,-42.496 18.825,-42.171 v1(18.825,-41.775)
SRAM_D0: U10M.B6 U11F.M2 | length 15.1
  L2 w0.1: v1(18.825,-49.025) 18.825,-49.021 18.65,-48.846 18.65,-48.1 18.825,-47.925 v2(18.825,-47.825)
  L7 w0.1: v2(7.7,-52.9) 8.1,-52.5 11.631,-52.5 12.731,-51.4 13.6,-51.4 14.275,-50.725 16.85,-50.725 18.825,-48.75 v2(18.825,-47.825)
  other v1: 7.7,-52.9
SRAM_D1: U10M.C5 U11F.R4 | length 11.2
  L2 w0.1: v1(10.1,-51.3) 10.1,-51.325 10.475,-51.7 12.875,-51.7 13.1,-51.925 13.954,-51.925 14.129,-52.1 15.75,-52.1 16.275,-51.575 17.85,-51.575 18.4,-51.025 18.975,-51.025 19.325,-50.675 19.325,-50.025 v1(19.575,-49.775)
SRAM_D2: U10M.C6 U11F.P2 | length 13.2
  L2 w0.1: v1(19.575,-49.025) v2(19.575,-48.525)
  L7 w0.1: v2(9.3,-52.9) 9.316,-52.884 9.634,-52.884 9.792,-52.725 11.75,-52.725 12.825,-51.65 13.675,-51.65 14.325,-51 18.125,-51 19.575,-49.55 v2(19.575,-48.525)
  other v1: 9.3,-52.9
SRAM_D3: U10M.D5 U11F.L4 | length 16.7
  L2 w0.1: v1(6.9,-51.3) 6.919,-51.319 7.044,-51.319 7.425,-51.7 8.7,-51.7 8.9,-51.9 8.9,-52.325 9.075,-52.5 9.6,-52.5 9.7,-52.4 10.275,-52.4 10.85,-52.975 13.675,-52.975 13.85,-52.8 14.4,-52.8 14.6,-52.6 15.816,-52.6 16.324,-52.092 16.441,-51.975 18.125,-51.975 18.575,-51.525 18.929,-51.525 19.604,-50.85 20.475,-50.85 20.625,-50.7 20.625,-50.375 20.325,-50.075 v1(20.325,-49.775)
SRAM_D4: U10M.E5 U11F.L1 | length 15.9
  L7 w0.1: v2(6.9,-53.7) 7.934,-53.7 8.334,-53.3 8.7,-53.3 8.825,-53.425 9.375,-53.425 9.825,-52.975 11.875,-52.975 12.95,-51.9 13.725,-51.9 14.375,-51.25 19.6,-51.25 v2(21.075,-49.775)
  other v1: 6.9,-53.7 21.075,-49.775
SRAM_D5: U10M.F5 U11F.M1 | length 17.6
  L2 w0.1: v2@7.7,-54.5 v1(7.7,-53.7) ; v2(21.825,-50.275) v1(21.825,-49.775)
  L7 w0.1: v2(7.7,-54.428) 7.822,-54.428 8.15,-54.1 11.925,-54.1 12.525,-53.5 13.259,-53.5 13.534,-53.775 15.167,-53.775 15.467,-53.475 19.05,-53.475 21.825,-50.7 v2(21.825,-50.275)
SRAM_D6: U10M.F6 U11F.R1 | length 16.9
  L2 w0.1: v1(21.825,-49.025) v2(21.825,-47.825)
  L7 w0.1: v1(10.1,-53.7) 11.975,-53.7 12.7,-52.975 14.15,-52.975 14.75,-52.375 19.825,-52.375 21.05,-51.15 21.05,-50.425 21.825,-49.65 v2(21.825,-47.825)
  other v2: 10.1,-53.7
SRAM_D7: U10M.G6 U11F.P1 | length 18.7
  L2 w0.1: v2(9.3,-54.5) v1(9.3,-53.8) ; v1(22.575,-49.025) v2(22.575,-48.525)
  L7 w0.1: v2(9.3,-54.5) 9.6,-54.5 9.8,-54.3 12.05,-54.3 12.65,-53.7 13.102,-53.7 13.377,-53.975 15.272,-53.975 15.472,-53.775 19.9,-53.775 22.15,-51.525 22.15,-51.075 22.575,-50.65 v2(22.575,-48.525)
SRAM_D8: U10M.B1 U11F.U3 | length 7.9
  L1 w0.1: U11F.U3@11.7,-52.1 11.75,-52.1 12.15,-52.5 12.85,-52.5 13.725,-53.375 18.225,-53.375 U10M.B1@18.825,-52.775
SRAM_D9: U10M.C1 U11F.V2 | length 7.7
  L1 w0.1: U11F.V2@12.5,-52.9 12.525,-52.925 12.78,-52.925 13.455,-53.6 18.75,-53.6 U10M.C1@19.575,-52.775
SRAM_D10: U10M.C2 U11F.V4 | length 7.8
  L1 w0.1: U11F.V4@12.5,-51.3 14.325,-51.3 14.85,-51.825 14.85,-52.075 15.125,-52.35 19.25,-52.35 U10M.C2@19.575,-52.025
SRAM_D11: U10M.D2 U11F.U2 | length 10.1
  L1 w0.1: U11F.U2@11.7,-52.9 12.1,-53.3 12.75,-53.3 13.3,-53.85 19.125,-53.85 19.95,-53.025 19.95,-52.4 U10M.D2@20.325,-52.025
SRAM_D12: U10M.E2 U11F.N2 | length 14.7
  L2 w0.1: v1(8.5,-52.9) 8.516,-52.916 8.516,-53.15 8.916,-53.55 9.404,-53.55 9.625,-53.771 9.625,-54.025 10.1,-54.5 14.775,-54.5 16.65,-52.625 18.875,-52.625 19.65,-51.85 20.896,-51.85 21.071,-52.025 v1(21.075,-52.025)
SRAM_D13: U10M.F2 U11F.T1 | length 13.6
  L1 w0.1: U11F.T1@10.9,-53.7 10.9,-54.05 11.375,-54.525 19.85,-54.525 20.55,-53.825 21.4,-53.825 22.2,-53.025 22.2,-52.4 U10M.F2@21.825,-52.025
SRAM_D14: U10M.F1 U11F.K6 | length 30.7
  L1 w0.1: v1(5.675,-51.7) 5.675,-50.125 U11F.K6@6.1,-49.7
  L2 w0.1: v1(5.675,-51.7) 5.2,-52.175 5.2,-55.466 5.684,-55.95 7.8,-55.95 8.333,-56.483 8.333,-56.717 9.375,-57.759 9.375,-59.125 10.825,-60.575 13.175,-60.575 14.925,-58.825 14.925,-57.025 15.404,-56.546 15.404,-56.096 17.675,-53.825 21.35,-53.825 21.825,-53.35 v1(21.825,-52.775)
SRAM_D15: U10M.G1 U11F.J6 | length 31
  L1 w0.1: v1(4.9,-51.725) 4.9,-50.1 U11F.J6@5.3,-49.7
  L2 w0.1: v1(4.9,-51.725) 4.9,-51.75 5,-51.85 5,-55.775 5.375,-56.15 7.1,-56.15 7.5,-56.55 7.5,-57.3 8.5,-58.3 8.5,-58.7 10.625,-60.825 13.4,-60.825 15.25,-58.975 15.25,-58.4 16.825,-56.825 16.825,-55.825 18.55,-54.1 21.5,-54.1 22.575,-53.025 v1(22.575,-52.775)
SRAM_D16: U11F.V16 U11M.B6 | length 7.3
  L1 w0.1: U11F.V16@12.5,-41.7 12.512,-41.687 13.038,-41.687 v1(13.05,-41.675)
  L2 w0.1: v1(13.05,-41.675) 13.375,-42 16.464,-42 17.914,-40.55 18.35,-40.55 v1(18.825,-41.025)
SRAM_D17: U11F.V15 U11M.C5 | length 7.4
  L1 w0.1: U11F.V15@12.5,-42.5 13.05,-42.5 13.4,-42.15 19.2,-42.15 U11M.C5@19.575,-41.775
SRAM_D18: U11F.U17 U11M.C6 | length 9.1
  L1 w0.1: U11F.U17@11.7,-40.9 11.998,-40.9 12.443,-41.345 12.795,-41.345 v1(12.8,-41.35)
  L2 w0.1: v1(12.8,-41.35) 13.275,-41.35 13.725,-41.8 16.381,-41.8 17.831,-40.35 18.9,-40.35 v1(19.575,-41.025)
SRAM_D19: U11F.U18 U11M.D5 | length 10.8
  L1 w0.1: U11F.U18@11.7,-40.1 12.1,-40.5 v1(12.925,-40.5)
  L2 w0.1: v1(12.925,-40.5) 13.95,-41.525 16.25,-41.525 17.625,-40.15 19.275,-40.15 19.925,-40.8 19.925,-41.05 20.325,-41.45 v1(20.325,-41.775)
SRAM_D20: U11F.P17 U11M.E5 | length 12.9
  L7 w0.1: v2(9.3,-40.9) 9.7,-40.5 10.325,-40.5 10.6,-40.225 12.15,-40.225 13.375,-41.45 14.15,-41.45 14.275,-41.575 18.7,-41.575 18.925,-41.35 20.65,-41.35 v1(21.075,-41.775)
  other v1: 9.3,-40.9
  other v2: 21.075,-41.775
SRAM_D21: U11F.T18 U11M.F5 | length 12.9
  L1 w0.1: U11F.T18@10.9,-40.1 10.9,-39.725 11.275,-39.35 v1(11.975,-39.35)
  L2 w0.1: v1(11.975,-39.35) 12.525,-39.35 19.716,-39.35 20.725,-40.359 20.725,-41.15 20.9,-41.325 21.375,-41.325 v1(21.825,-41.775)